# Altium PCB 28_Pins_Project_V1I1_PCB.PcbDoc
Units mil, origin at the board's own origin, x right, y up, seen from the top; angles counter-clockwise.
Board outline 2700 x 2100 mil, 2 copper layers (L1, L2), stack 65.8 mil thick; 106 components, 72 nets, 323 pads, 59 vias.
Unrouted connection lines stored in the file: 5.
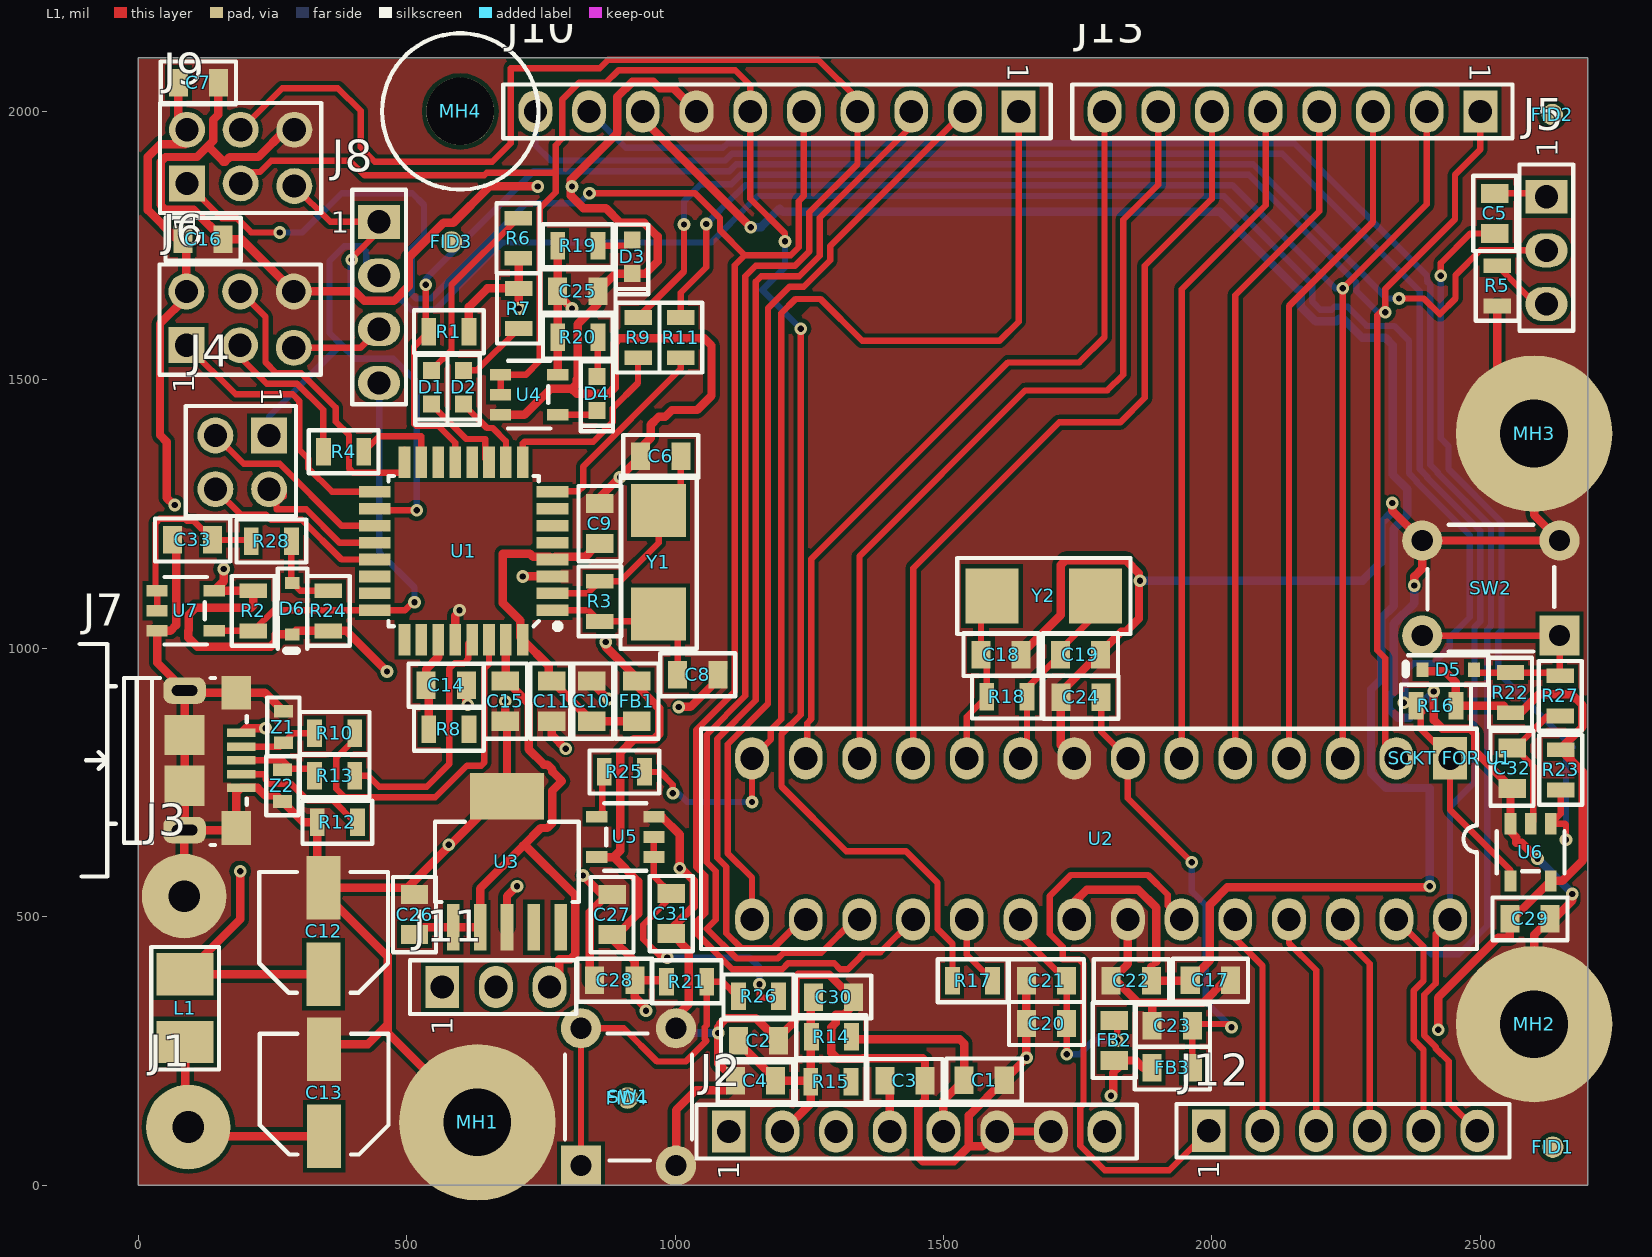
[diagram p0: L1 view]
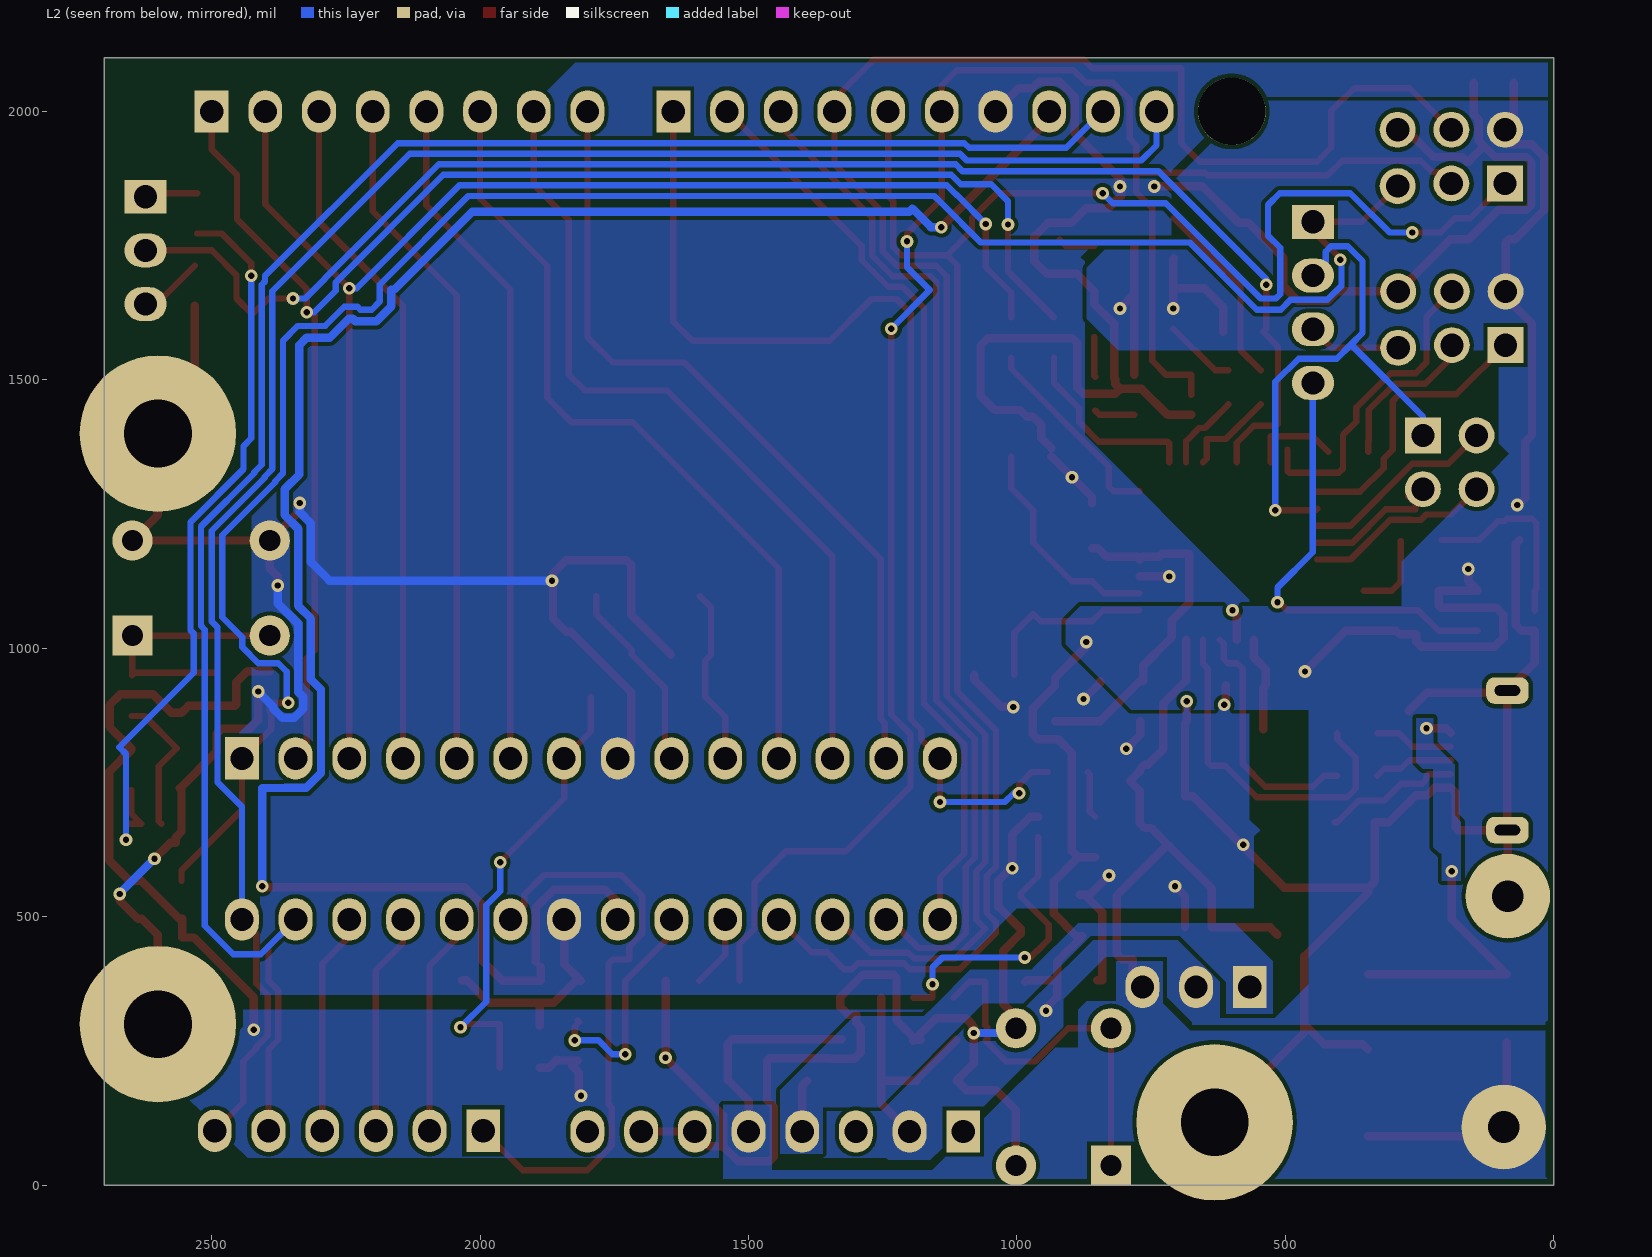
[diagram p1: L2 view, seen from below]

## Layer stack, top to bottom
Top Solder: solder mask 0.4, Solder Resist, Dk 3.5
L1: signal copper 1.4
Dielectric 1: dielectric 63, FR-4, Dk 4.8
L2: signal copper 1.4
Bottom Solder: solder mask 0.4, Solder Resist, Dk 3.5

## Board outline
0,0 2700,0 2700,2100 0,2100 0,0

## Design rules (kind name [scope] priority, off if disabled: settings)
Clearance [All] p1: gap=7.87 ignorepadtopadclearanceinfootprint=FALSE except(0: Arc-Hole Track-Hole SMDPad-Hole THPad-Hole Via-Hole Fill-Hole Poly-Hole Region-Hole Text-Hole)
ComponentClearance ComponentClearance_1 [All] p1: gap=10 collisioncheckmode=3 verticalgap=10 showdistances=FALSE
ComponentClearance "MH2 to J2" [InComponent('MH2') vs InComponent('J2')] p2: gap=0 collisioncheckmode=3 verticalgap=0 showdistances=FALSE
HoleSize [All] p1: absolutevalues=TRUE maxlimit=393.7 minlimit=7.87 maxpercent=80.000 minpercent=20.000
HoleToHoleClearance [All] p1: gap=11.81 allowstackedmicrovias=TRUE
MinimumSolderMaskSliver [All] p1: minsoldermaskwidth=3.94
PolygonConnect [All] p1: connectstyle=Direct reliefconductorwidth=10 reliefentries=4 polygonreliefangle="90 Angle" airgapwidth=10
RoutingVias [All] p1: holewidth=0.3 width=0.6 viastyle="Through Hole" minholewidth=0.2 minwidth=0.3 maxholewidth=0.3 maxwidth=0.6
SilkToSilkClearance [All] p1: silktosilkclearance=3.94
SilkToSolderMaskClearance [IsPad] p1: minsilkscreentomaskgap=3.94 clearancetoexposedcopper=TRUE
SolderMaskExpansion [All] p1: expansion=3.94 istentingtop=FALSE
Width "Width POWERS" [InNet('+*')or InNet('GND')] p1: maxlimit=157.48 minlimit=15.75 preferedwidth=15.75
Width [All] p2: maxlimit=19.68 minlimit=11.81 preferedwidth=11.81
24 further rules are at their usual default settings.

## Components (designator, comment, footprint, x,y, rotation, side; value= is the part's Value field where it differs from the comment)
C1 "100n" C0805 1575.79,195.87 r180 top
C2 "100n" C0805 1155.51,268.7 r180 top
C3 "100n" C0805 1428.15,194.88 r180 top
C4 "10uF/16V" C0805_V2 1149.61,194.88 r0 top
C5 "100n" C0805 2526.57,1810.04 r90 top
C6 "18p" C0805 973.43,1357.28 r0 top
C7 "100n" C0805 112.2,2053.15 r180 top
C8 "18p" C0805 1042.32,950.79 r180 top
C9 "10uF/16V" C0805_V2 860.24,1232.28 r270 top
C10 "100n" C0805 844.49,901.57 r270 top
C11 "100n" C0805 770.67,901.57 r90 top
C12 "100u / 10V" C_ALU_C_SIZE 345.47,473.43 r90 top
C13 "100u / 10V" C_ALU_C_SIZE 346.46,172.24 r90 top
C14 "1UF" C0805 573.82,931.1 r180 top
C15 "100n" C0805 684.06,901.57 r90 top
C16 "100n" C0805 121.06,1761.81 r180 top
C17 "10uF/16V" C0805_V2 1997.05,381.89 r180 top
C18 "18p" C0805 1607.28,988.19 r180 top
C19 "18p" C0805 1754.92,988.19 r180 top
C20 "10uF/16V" C0805_V2 1691.93,301.18 r0 top
C21 "100n" C0805 1691.93,381.05 r0 top
C22 "100n" C0805 1849.81,381.05 r0 top
C23 "10uF/16V" C0805_V2 1926.18,297.24 r0 top
C24 "100n" C0805 1756.23,908.95 r0 top
C25 "100n" C0805 818.9,1665.35 r180 top
C26 "10uF/16V" C0805_V2 514.76,503.94 r270 top
C27 "10uF/16V" C0805_V2 882.87,503.94 r270 top
C28 "100n" C0805 887.8,381.89 r0 top
C29 "100n" C0805 2592.52,496.06 r180 top
C30 "100n" C0805 1295.28,350.39 r180 top
C31 "100n" C0805 993.11,505.91 r90 top
C32 "100n" C0805 2559.06,776.57 r90 top
C33 "100n" C0805 101.38,1201.77 r0 top
D1 "ORANGE" LED_0603 546.26,1486.22 r90 top
D2 "ORANGE" LED_0603 606.3,1486.22 r90 top
D3 "GREEN" LED_0603 920.28,1729.33 r90 top
D4 "GREEN" LED_0603 854.49,1474.41 r90 top
D5 "BAT54HT1G" SOD323 2439.96,959.65 r0 top
D6 "BAT54HT1G" SOD323 287.4,1073.82 r90 top
FB1 "MPZ2012S601AT000" C0805 929.13,901.57 r270 top
FB2 "MPZ2012S601AT000" C0805 1817.91,269.69 r90 top
FB3 "MPZ2012S601AT000" C0805 1926.18,218.5 r0 top
FID1 "FID 1MM" FID_40X120D 2634.84,70.87 r0 top
FID2 "FID 1MM" FID_40X120D 2633.95,1994.09 r90 top
FID3 "FID 1MM" FID_40X120D 583.66,1756.89 r90 top
FID4 "FID 1MM" FID_40X120D 911.42,162.4 r90 top
J1 "4MMX1.5MM" PAD_WTIH_HOLE_4MMX1.5MM 93.5,108.27 r0 top
J2 "HEADER_FEMALE_1x8_2.54mm" HEADER_FEMALE_1X8_2.54MM 1100,100 r90 top
J3 "4MMX1.5MM" PAD_WTIH_HOLE_4MMX1.5MM 85.63,538.39 r0 top
J4 "HDR 2X2" HDR_2X2_2.54MM 193.9,1346.46 r270 top
J5 "HDR MALE 1X3" HEADER_MALE_1X3_2.54MM 2623.03,1741.14 r0 top
J6 "HDR 2x3" HDR_2X3_2.54MM 189.96,1612.2 r90 top
J7 "10118193-0001LF" 10118193 139.25,791.34 r270 top
J8 "HDR MALE 1X4" HEADER_MALE_1X4_2.54MM 448.82,1794.29 r0 top
J9 "HDR 2x3" HDR_2X3_2.54MM 190.94,1913.39 r90 top
J10 "HEADER FEMALE 1X10 2.54 mm" HEADER_FEMALE_1X10_2.54MM 1640,2000 r270 top locked
J11 "HDR MALE 1X3" HEADER_MALE_1X3_2.54MM 666.34,369.09 r90 top
J12 "HEADER_FEMALE_1x6_2.54mm" HEADER_FEMALE_1X6_2.54MM 1994.09,101.38 r90 top
J13 "HEADER_FEMALE_1x8_2.54mm" HEADER_FEMALE_1X8_2.54mm 2500,2000 r270 top locked
L1 "2u2 / 2A" C1210_IND 87.6,329.72 r90 top
MH1 "MH_7.4MMC_3.2MMD" MH_7.4MMC_3.2MMD 631.89,117.13 r0 top
MH2 "MH_7.4MMC_3.2MMD" MH_7.4MMC_3.2MMD 2600,300 r0 top locked
MH3 "MH_7.4MMC_3.2MMD" MH_7.4MMC_3.2MMD 2600,1400 r0 top locked
MH4 "MH_7.4MMNC_3.2MMD" MH_7.4MMNC_3.2MMD_NON_COPPER_NPTH 600,2000 r0 top
R1 "100K" R0805 578.74,1589.57 r0 top
R2 "10K" R0805 214.57,1069.88 r90 top
R3 "1M" R0805 860.24,1087.6 r90 top
R4 "22R" R0805 382.87,1366.14 r0 top
R5 "1K" R0805 2531.5,1675.2 r90 top
R6 "560 OHM" R0805 707.68,1763.78 r90 top
R7 "560 OHM" R0805 708.66,1632.87 r90 top
R8 "0R" R0805 578.74,849.41 r180 top
R9 "1K" R0805 931.1,1578.74 r90 top
R10 "22R" R0805 366.14,841.54 r180 top
R11 "1K" R0805 1010.83,1578.74 r90 top
R12 "0R" R0805 371.06,676.18 r180 top
R13 "22R" R0805 366.14,762.8 r180 top
R14 "0R" R0805 1291.34,276.57 r180 top
R15 "0R" R0805 1290.35,192.91 r0 top
R16 "10K" R0805 2417.32,892.72 r0 top
R17 "22R" R0805 1554.13,380.91 r0 top
R18 "1M" R0805 1618.11,909.45 r180 top
R19 "560 OHM" R0805 818.9,1750 r180 top
R20 "560 OHM" R0805 818.9,1579.72 r180 top
R21 "10K" R0805 1021.65,378.94 r180 top
R22 "10K" R0805 2556.1,917.32 r270 top
R23 "10K" R0805 2649.61,773.62 r90 top
R24 "10K" R0805 354.33,1069.88 r270 top
R25 "560 OHM" R0805 905.51,769.69 r0 top
R26 "22R" R0805 1155.51,352.36 r0 top
R27 "22R" R0805 2648.62,911.42 r270 top
R28 "22R" R0805 248.03,1199.8 r180 top
"SCKT FOR U1" "28-DIP SOCKET" 28_DIP_7.62MM_SOCKET 2443.5,795 r270 top locked
SW1 "FSM4JH" FSM4JH 913.39,164.37 r180 top
SW2 "FSM4JH" FSM4JH 2519.69,1112.2 r270 top
U1 "ATMEGA16U2-AU" TQFP32 606.3,1181.1 r180 top locked
U2 "ATMEGA328P-PU" 28_DIP_7.62MM 2443.5,795 r270 top locked
U3 "TL1963A-33DCQR" "DCQ (R-PDSO-G6)" 687.01,602.36 r90 top
U4 "SN74AHC1G09DBVR" DBV_SOT_23_5 728.35,1472.44 r0 top
U5 "SN74AHC1G09DBVR" DBV_SOT_23_5 907.48,648.62 r180 top
U6 "SN74AHC1G09DBVR" DBV_SOT_23_5 2593.5,620.08 r270 top
U7 "SN74AHC1G09DBVR" DBV_SOT_23_5 88.58,1069.88 r0 top
Y1 "ABM7-16.000MHZ-D2Y-T" ABM_V1_1_BIG 969.49,1160.43 r90 top
Y2 "ABM7-16.000MHZ-D2Y-T" ABM_V1_1_BIG 1687.01,1097.44 r180 top
Z1 "CG0603MLC-05E" R0603 270.67,853.35 r270 top
Z2 "CG0603MLC-05E" R0603 268.7,744.09 r90 top

## Footprints (in the part's own frame and the unit in brackets; to place one, negate y for a bottom-side part, rotate by r counter-clockwise, add the part's x,y. Pads: shape width x height; smd on the part's side, far side on the other; paste and mask are expansions set on the pad)
28_DIP_7.62MM [mm]
  rect 2x1.6 hole 1.1: 1(0,0)
  oval 2x1.6 hole 1.1: 2(0,-2.54) 3(0,-5.08) 4(0,-7.62) 5(0,-10.16) 6(0,-12.7) 7(0,-15.24) 8(0,-17.78) 9(0,-20.32) 10(0,-22.86) 11(0,-25.4) 12(0,-27.94) 13(0,-30.48) 14(0,-33.02) 15(7.62,-33.02) 16(7.62,-30.48) 17(7.62,-27.94) 18(7.62,-25.4) 19(7.62,-22.86) 20(7.62,-20.32) 21(7.62,-17.78) 22(7.62,-15.24) 23(7.62,-12.7) 24(7.62,-10.16) 25(7.62,-7.62) 26(7.62,-5.08) 27(7.62,-2.54) 28(7.62,0)
  silkscreen extent -1.4,-35.43 9.02,1.27, body extent -0.25,-34.48 7.62,1.46, height 7.55
28_DIP_7.62MM_SOCKET [mil]
  body extent -49,-1349 349,49, height 165
10118193 [mm]
  rect 0.4x1.35 smd mask+0.05: 1(-1.3,1.338) 2(-0.65,1.338) 3(0,1.338) 4(0.65,1.338) 5(1.3,1.338)
  rect 1.6x1.4 smd: 6(-3.2,1.113) 7(3.2,1.113)
  rrect60% 1.25x2 hole 0.5 slot 1.2 at 90 deg: 7(-3.3,-1.338) 7(3.3,-1.338)
  rect 1.9x1.9 smd: 10(-1.2,-1.338) 11(1.2,-1.338)
  silkscreen extent -5.5,-6.3 5.5,1.6, body extent -3.9,-4.2 3.95,1.59, height 2.88
ABM_V1_1_BIG [mm]
  rect 2.5x2.6 smd: 1(-2.45,0) 2(2.45,0)
  silkscreen extent -4.1,-1.8 4.1,1.8, body extent -2.9,-1.75 3.1,1.75, height 1.45
C0805 [mm]
  rect 0.9x1.3 smd: 1(-0.95,0) 2(0.95,0)
  silkscreen extent -1.78,-1.02 1.78,1.02, body extent -1,-0.6 1,0.6, height 0.95
C0805_V2 [mm]
  rect 0.9x1.3 smd: 1(-0.95,0) 2(0.95,0)
  silkscreen extent -1.78,-1.02 1.78,1.02, body extent -1,-0.6 1,0.6, height 1.45
C1210_IND [mm]
  rect 2x2.7 smd: 1(-1.6,0) 2(1.6,0)
  silkscreen extent -2.9,-1.6 2.9,1.6, body extent -1.5,-1.25 1.5,1.25, height 2.7
C_ALU_C_SIZE [mm]
  rect 3x1.6 smd: 1(-2.05,0) 2(2.05,0)
  silkscreen extent -2.92,-3.05 2.79,3.05, body extent -2.95,-2.65 2.95,2.65, height 5.41
DBV_SOT_23_5 [mm]
  rect 1x0.55 smd: 1(-1.35,0.95) 2(-1.35,0) 3(-1.35,-0.95) 4(1.35,-0.95) 5(1.35,0.95)
  silkscreen extent -1,-1.6 1,1.6, body extent -1.51,-1.53 1.51,1.52, height 1.61
"DCQ (R-PDSO-G6)" [mm]
  rect 2.2x0.6 smd: 1(-3.1,2.54) 2(-3.1,1.27) 3(-3.1,0) 4(-3.1,-1.27) 5(-3.1,-2.54)
  rect 2.2x3.5 smd: 6(3.1,0)
  silkscreen extent -1.9,-3.4 1.9,3.4, body extent -3.73,-3.28 3.53,3.27, height 1.79
FID_40X120D [mil]
  round 40 smd paste+0 mask+40: 1(0,0)
FSM4JH [mm]
  rect 1.9x1.9 hole 1: 1(2.25,3.25)
  round 1.9 hole 1: 2(2.25,-3.25) 3(-2.25,3.25) 4(-2.25,-3.25)
  silkscreen extent -3,-3 3,3, body extent -3,-3.8 2.99,4, height 5
HDR_2X2_2.54MM [mm]
  rect 1.7x1.7 hole 1.1: 1(-1.27,1.27)
  round 1.7 hole 1.1: 2(1.27,1.27) 3(-1.27,-1.27) 4(1.27,-1.27)
  silkscreen extent -2.67,-2.67 2.54,2.54, body extent -2.54,-2.54 2.54,2.46, height 7.5
HDR_2X3_2.54MM [mm]
  rect 1.7x1.7 hole 1.1: 1(-1.207,2.54)
  round 1.7 hole 1.1: 2(1.333,2.54) 3(-1.207,0) 4(1.333,0) 5(-1.334,-2.54) 6(1.333,-2.54)
  silkscreen extent -2.6,-3.81 2.6,3.81, body extent -2.5,-3.81 2.5,3.81, height 7.5
HEADER_FEMALE_1X6_2.54MM [mm]
  rect 2x1.6 hole 1.1: 1(0,0)
  oval 2x1.6 hole 1.1: 2(0,-2.54) 3(0,-5.08) 4(0,-7.62) 5(0,-10.16) 6(0,-12.7)
  silkscreen extent -1.27,-14.22 1.27,1.52, body extent -1.2,-14.12 1.3,1.52, height 8.31
HEADER_FEMALE_1X8_2.54MM [mm]
  rect 2x1.6 hole 1.1: 1(0,0)
  oval 2x1.6 hole 1.1: 2(0,-2.54) 3(0,-5.08) 4(0,-7.62) 5(0,-10.16) 6(0,-12.7) 7(0,-15.24) 8(0,-17.78)
  silkscreen extent -1.27,-19.3 1.27,1.52, body extent -1.2,-19.26 1.3,1.46, height 8.31
HEADER_FEMALE_1X8_2.54mm [mm]
  rect 2x1.6 hole 1.1: 1(0,0)
  oval 2x1.6 hole 1.1: 2(0,-2.54) 3(0,-5.08) 4(0,-7.62) 5(0,-10.16) 6(0,-12.7) 7(0,-15.24) 8(0,-17.78)
  silkscreen extent -1.27,-19.3 1.27,1.52, body extent -1.2,-19.26 1.3,1.46, height 8.31
HEADER_FEMALE_1X10_2.54MM [mm]
  rect 2x1.6 hole 1.1: 1(0,0)
  oval 2x1.6 hole 1.1: 2(0,-2.54) 3(0,-5.08) 4(0,-7.62) 5(0,-10.16) 6(0,-12.7) 7(0,-15.24) 8(0,-17.78) 9(0,-20.32) 10(0,-22.86)
  silkscreen extent -1.27,-24.38 1.27,1.52, body extent -1.23,-24.33 1.27,1.47, height 8.31
HEADER_MALE_1X3_2.54MM [mm]
  rect 2x1.6 hole 1.1: 1(0,2.54)
  oval 2x1.6 hole 1.1: 2(0,0) 3(0,-2.54)
  silkscreen extent -1.27,-3.81 1.27,4.06, body extent -1.2,-3.71 1.21,3.51, height 8.39
HEADER_MALE_1X4_2.54MM [mm]
  rect 2x1.6 hole 1.1: 1(0,0)
  oval 2x1.6 hole 1.1: 2(0,-2.54) 3(0,-5.08) 4(0,-7.62)
  silkscreen extent -1.27,-8.64 1.27,1.52, body extent -1.21,-8.76 1.2,1, height 8.39
LED_0603 [mm]
  rect 0.8x0.8 smd: 1(-0.8,0) 2(0.8,0)
  silkscreen extent -1.78,-0.76 1.52,0.76, body extent -0.85,-0.4 0.85,0.4, height 0.66
MH_7.4MMC_3.2MMD [mm]
  round 7.4 hole 3.2: 1(0,0)
MH_7.4MMNC_3.2MMD_NON_COPPER_NPTH [mm]
  round 3.2 hole 3.2 unplated: 1(0,0)
  silkscreen extent -3.7,-3.7 3.7,3.7
PAD_WTIH_HOLE_4MMX1.5MM [mm]
  round 4 hole 1.5: 1(0,0)
R0603 [mm]
  rect 0.6x0.9 smd: 1(-0.75,0) 2(0.75,0)
  silkscreen extent -1.4,-0.76 1.4,0.76, body extent -0.75,-0.4 0.85,0.4, height 0.85
R0805 [mm]
  rect 0.7x1.3 smd: 1(-0.95,0) 2(0.95,0)
  silkscreen extent -1.65,-1.02 1.65,1.02, body extent -1,-0.6 1,0.6, height 0.71
SOD323 [mil]
  rect 22x27 smd: 1(-48,0) 2(48,0)
  silkscreen extent -79,-28 75,28, body extent -53,-25 53,25, height 43
TQFP32 [mm]
  rect 1.5x0.55 smd mask+0.06: 1(-4.2,2.8) 2(-4.2,2) 3(-4.2,1.2) 4(-4.2,0.4) 5(-4.2,-0.4) 6(-4.2,-1.2) 7(-4.2,-2) 8(-4.2,-2.8) 17(4.2,-2.8) 18(4.2,-2) 19(4.2,-1.2) 20(4.2,-0.4) 21(4.2,0.4) 22(4.2,1.2) 23(4.2,2) 24(4.2,2.8)
  rect 0.55x1.5 smd mask+0.06: 9(-2.8,-4.2) 10(-2,-4.2) 11(-1.2,-4.2) 12(-0.4,-4.2) 13(0.4,-4.2) 14(1.2,-4.2) 15(2,-4.2) 16(2.8,-4.2) 25(2.8,4.2) 26(2,4.2) 27(1.2,4.2) 28(0.4,4.2) 29(-0.4,4.2) 30(-1.2,4.2) 31(-2,4.2) 32(-2.8,4.2)
  silkscreen extent -4.57,-3.56 3.56,3.68, body extent -4.6,-4.6 4.6,4.6, height 1.2

## Part data
C1 C2 C3 C5 C7 C10 C11 C15 C16 C21 C22 C24 C25 C28 C29 C30 C31 C32 C33: library part C2012X7R1H104K085AA, "CAP CER 0.1UF 50V X7R 0805"
C4 C9 C17 C20 C23 C26 C27: library part C2012X5R1C106M125AC, "CAP CER 10UF 16V X5R 0805"
C6 C8 C18 C19: library part C0805C180J5GACTU, "CAP CER 18PF 50V NP0 0805"
C12 C13: library part EEE-1AA101WR, "CAP ALUM 100UF 20% 10V SMD"
C14: library part C2012X5R1E105K125AA, "CAP CER 10UF 16V X5R 0805"
D1 D2: library part "LO L29K-H2K1-24-Z", "LED ORANGE DIFFUSED 0603 SMD"
D3 D4: library part "LG L29K-G2J1-24-Z", "LED GREEN DIFFUSED 0603 SMD"
D5 D6: "DIODE SCHOTTKY 30V 200MA SOD323"
FB1 FB2 FB3: "FERRITE CHIP BEAD  600 OHM SMD"
FID1 FID2 FID3 FID4: library part FID_1MMC, "FIDUCIAL 40MIL DIAMETER,120 MIL MASK"
J1 J3: library part PAD_WITH_HOLE_4MMX1.5MM, "PAD WITH A HOLE"
J2 J13: library part M20-7820842, "HARWIN 2.54mm 8 Way 1 Row Straight PCBSocket Through Hole Socket Strip"
J4: library part 68602-204HLF, "CONN HEADER 4POS .100 STR 30AU"
J5 J11: library part 68000-103HLF, "HDR MALE 1X3 2.54 MM"
J6 J9: library part 67997-106HLF, "CONN HEADER 6POS .100 STR 30AU"
J7: "CONN USB MICRO B RECPT SMT R/A"
J8: library part 68001-204HLF, "HDR MALE 1X4 2.54MM"
J10: library part M20-7821046, "HARWIN 2.54mm 10 Way 1 Row Straight PCBSocket Through Hole Socket Strip"
J12: library part M20-7820646, "HARWIN 2.54mm 6 Way 1 Row Straight PCBSocket Through Hole Socket Strip"
L1: library part L1210R2R2MDWIT, "FIXED IND 2.2UH 2A 80MOHM SMD"
MH1 MH2 MH3: "MOUNTING HOLE 7.4MM DIAMETER,3.2MM DRILL"
MH4: "HOLE 7.4MM DIAMETER (NON COPPER), 3.2MM DRILL NPTH"
R1: library part RC0805FR-07100KL, "RES SMD 100K OHM 1% 1/8W 0805"
R2 R16 R21 R22 R23 R24: library part RC0805FR-0710KL, "RES SMD 10K OHM 1/8 W 0805"
R3 R18: library part RC0805FR-071ML, "RES SMD 1M OHM 1% 1/8W 0805"
R4 R10 R13 R17 R26 R27 R28: library part RC0805FR-0722RL, "RES SMD 22 OHM 1% 1/8W 0805"
R5 R9 R11: library part RC0805FR-071KL, "RES SMD 1K OHM 1% 1/8W 0805"
R6 R7 R19 R20 R25: library part RC0805FR-07560RL, "RES SMD 560 OHM 1% 1/8W 0805"
R8 R12 R14 R15: library part RC0805JR-070RL, "RES SMD 0 OHM 1% 1/8W 0805"
"SCKT FOR U1": library part 4828-3004-CP, "CONN IC  DIP SOCKET 28POS TIN"
SW1 SW2: "Alcoswitch, Switch,Pushbutton,Tactile,SPST,50mA,Thru Hole,6mm"
U2: "ATMEGA328P-PU; 8 bit Microcontroller AVR 20MHz 1; 32kb Flash; 2kb RAM; I2C SPI 2"
U3: "IC REG LDO 3.3V 1.5A SOT223-6"
U4 U5 U6 U7: "IC GATE AND 1 CH 2-INP SOT-23-5"
Y1 Y2: "Crystal; Ceramic; 16.000MHZ; 18pf; 20ppm @ 25C; 30ppm -40+85C; 6.0 x 3.5 x 1.2mm; T/R"
Z1 Z2: "VARISTOR 0603"

## Via types
v1: diameter 23.62, hole 11.81, L1 to L2, tented both sides, 59 vias
